# Allegro board AB9.brd (continued)
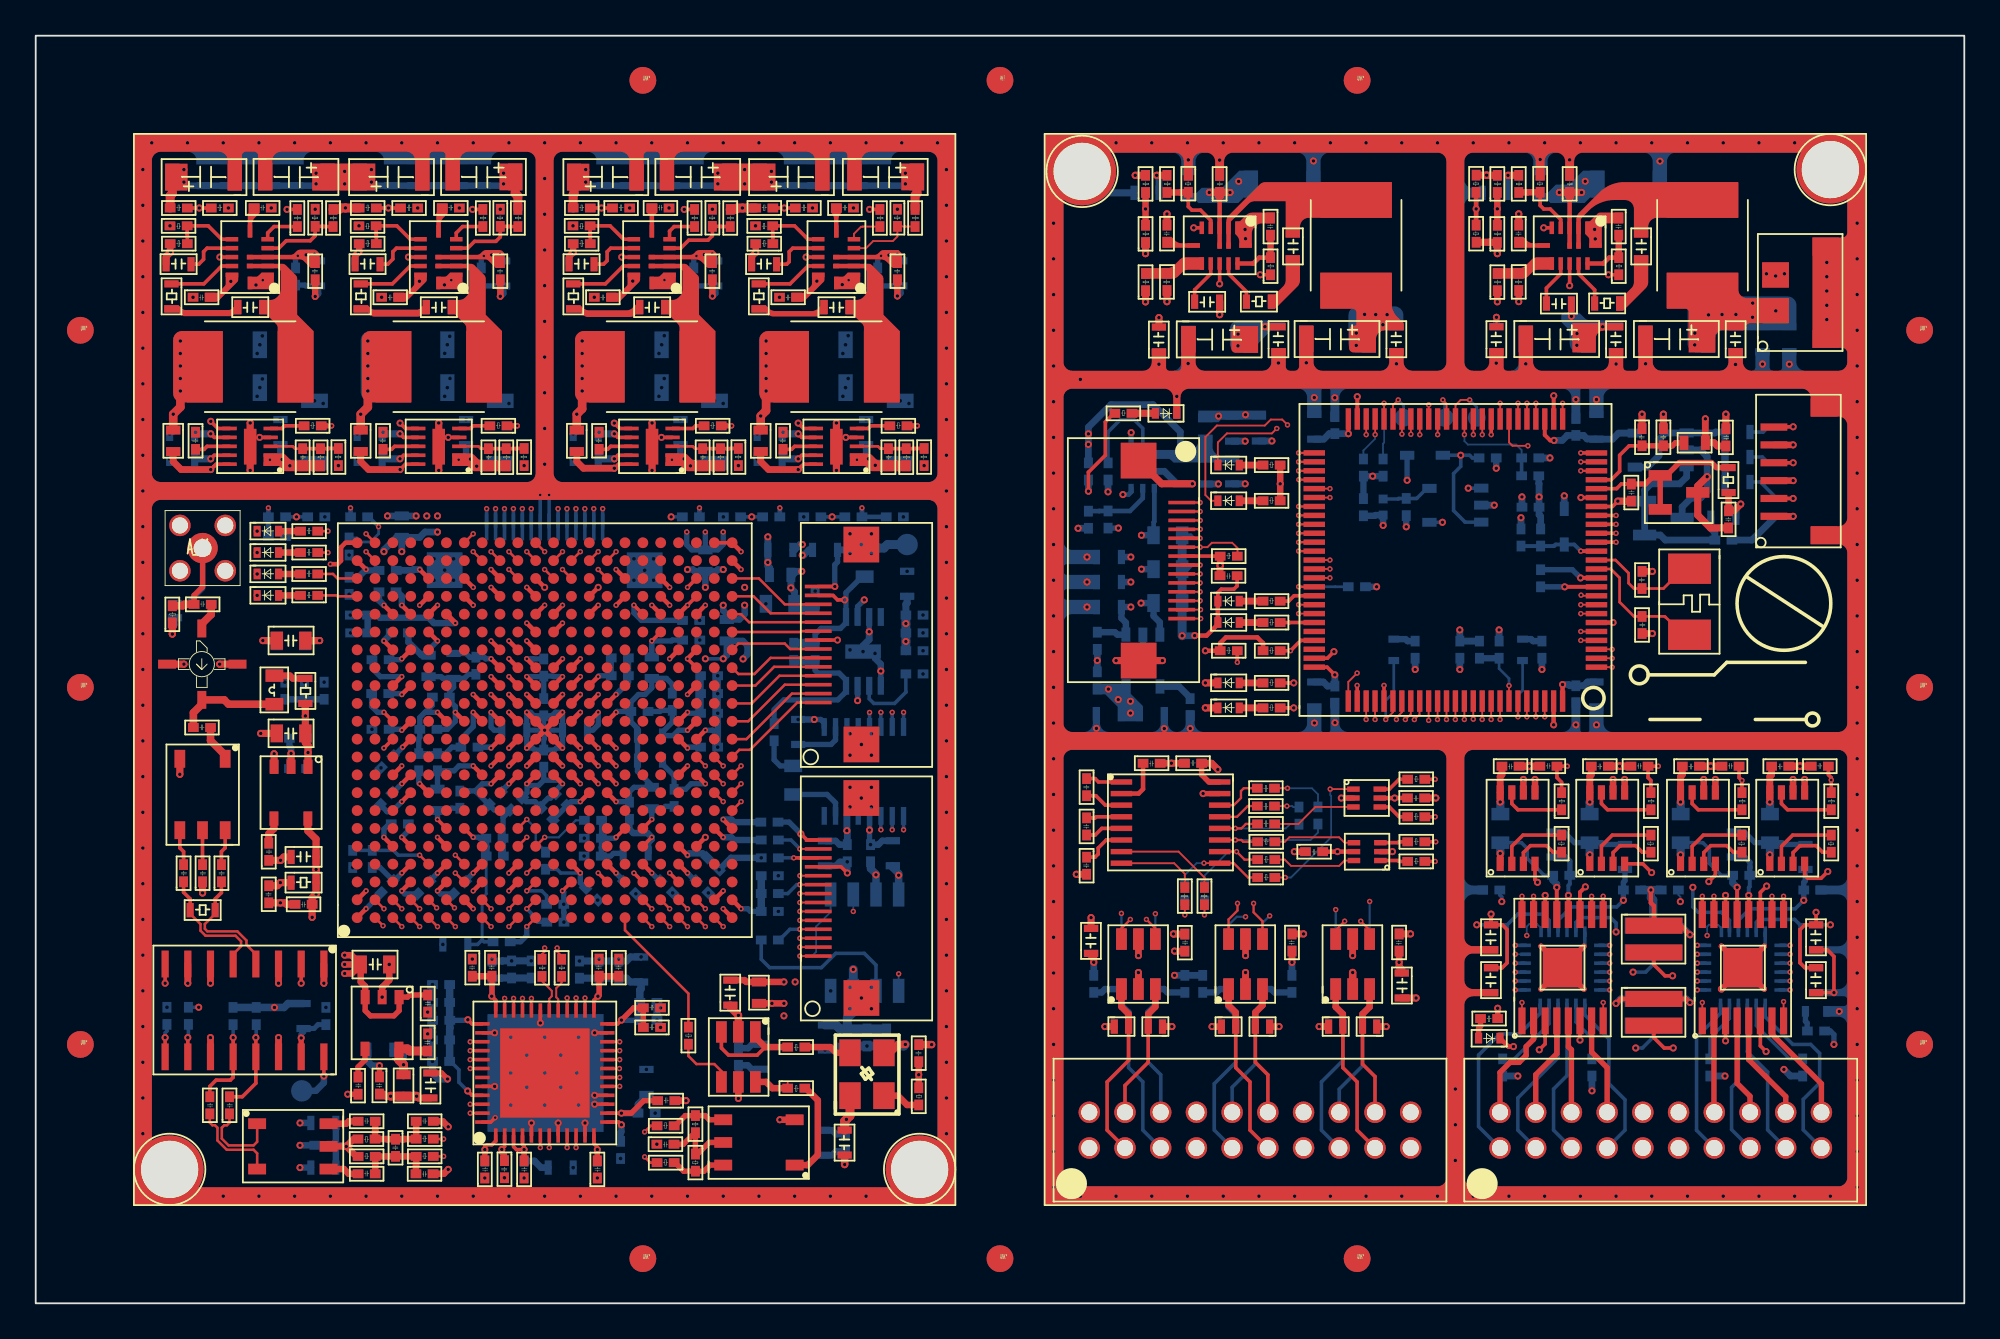
[diagram p0: board, top side]
## Copper pours and planes (outline as drawn; the poured copper is in the pictures)
(no net) on BOTTOM: 25.3,9.6 31.8,9.6 31.8,16.2 25.3,16.2
(no net) on GND-L2, GND-L5, GND-L9: 5.5,65.5 51.5,65.5 51.5,46 40.1,46 40.1,24.3 43.6,24.3 43.6,25.2 40.5,25.2 40.5,45 50.5,45 50.5,6.5 33.8,6.5 33.8,9.7 34.3,10.2 34.3,11.4 33.3,11.4 33.3,6.5 6.5,6.5 6.5,45 11.6,45 11.6,38.5 16.3,38.5 16.3,20.1 17,19.4 21.1,19.4 21.1,13.1 23.4,10.8 23.7,10.8 23.7,13.2 21.9,13.2 21.9,20.4 17.6,20.4 16.9,21.1 16.9,39 12.1,39 12.1,46 5.5,46 ; 1 cut-out
(no net) on GND-L2, GND-L5, GND-L9: 56.55,65.45 102.45,65.45 102.45,5.55 56.55,5.55 ; 13 cut-outs
(no net) on PWR-L6: 33.2,11.2 23.9,11.2 23.5,11.6 23.5,13.8 22.4,14.9 17.5,14.9 16.9,14.3 16.9,12.6 15.9,11.6 15.9,6.8 16.2,6.5 33.3,6.5 33.4,6.6 33.4,11
(no net) on PWR-L6: 42,43.1 42,31.9 43.9,30 43.9,26.8 45.1,25.6 50.5,25.6 50.5,43.6 42.5,43.6
(no net) on PWR-L6: 23,36.4 23,31.1 25.4,28.7 31.5,28.7 32.3,27.9 33.4,27.9 33.95,28.45 33.95,35.25 35.4,36.7 36.5,36.7 37,36.2 37,35.4 37.4,35 40.6,35 40.9,35.3 40.9,37.2 40.1,38 30.6,38 30.1,37.5 24.1,37.5
(no net) on PWR-L6: 45.9,6.5 45.9,10 46.4,10.5 49.9,10.5 50.5,11.1 50.5,16.9 50.3,17.1 38.3,17.1 37.6,16.4 37.6,12.1 36.5,11 36.5,10.5 33.9,10.5 33.9,6.5
(no net) on PWR-L6: 16,13.2 13.6,10.8 13.6,6.8 13.3,6.5 10.6,6.5 10.2,6.9 10.2,8.7 8.4,10.5 6.7,10.5 6.5,10.7 6.5,27.7 6.8,28 15.7,28 16,27.7
(no net) on PWR-L6: 23.3,49.2 23.6,49.5 26.9,49.5 27.6,48.8 27.6,46.1 26.6,45.1 24.2,45.1 22.8,43.7 19.7,43.7 19.2,44.2 19.2,45.1 19.8,45.7 22.7,45.7 23.3,46.3
(no net) on PWR-L6: 30.1,48 31.2,48 31.5,48.3 31.5,49.5 31.7,49.7 33.4,49.7 33.8,49.3 33.8,46.8 33.5,46.5 30.2,46.5 29.9,46.8 29.9,47.8
(no net) on PWR-L6: 40.4,48 41.4,48 41.7,48.3 41.7,49.5 41.9,49.7 43.7,49.7 44.1,49.3 44.1,46.7 43.8,46.4 40.6,46.4 40.2,46.8 40.2,47.8
(no net) on PWR-L6: 18,48 19.1,48 19.4,48.3 19.4,49.3 19.9,49.8 21.4,49.8 21.8,49.4 21.8,46.7 21.5,46.4 18.2,46.4 17.8,46.8 17.8,47.8
(no net) on PWR-L6: 63.2,37.4 63.43,37.63 63.43,46.27 63.2,46.5 58,46.5 57.81,46.5 57.55,46.24 57.55,37.65 57.8,37.4
(no net) on PWR-L6: 65.51,51.7 65.51,49.49 65.66,49.34 68.22,49.34 68.34,49.46 68.34,52.56 68.72,52.94 76.22,52.94 76.8,53.52 76.8,56.59 76.24,57.16 57.55,57.16 57.55,52.59 57.91,52.23 64.98,52.23
(no net) on PWR-L6: 7.5,48 8.5,48 8.8,48.3 8.8,49.5 9.1,49.8 10.9,49.8 11.3,49.4 11.3,46.8 11,46.5 7.7,46.5 7.3,46.9 7.3,47.8
(no net) on PWR-L6: 35.6,49.5 39,49.5 39.6,48.9 39.6,45.1 39.2,44.7 39.2,43.6 38.4,42.8 36.2,42.8 36.1,42.9 36.1,43.4 36.4,43.7 37.2,43.7 37.7,44.2 37.7,45 37,45.7 36.4,45.7 35.2,46.9 35.2,49.1
(no net) on PWR-L6: 80.97,55.39 80.97,53.58 81.26,53.29 101.23,53.29 101.45,53.51 101.45,55.82 100.7,56.57 82.61,56.57 82.39,56.34 82.39,55.71 82.29,55.61 81.19,55.61
(no net) on PWR-L6: 79,32 101.1,32 101.45,32.35 101.45,50.95 101.17,51.23 70.3,51.23 70.3,48.5 69.63,47.83 65.48,47.83 64.62,46.97 64.62,35.91 63.8,35.1 58.6,35.1 58.6,35.1 57.55,35.1 57.55,6.97 57.79,6.74 58.46,6.74 58.65,6.55 79,6.55 ; 1 cut-out
(no net) on PWR-L6: 63.55,63.7 64.34,62.9 66.43,62.9 67.2,63.68 70.64,63.68 71.05,63.27 72.17,63.27 72.59,63.68 83.12,63.68 83.65,63.15 86.06,63.15 86.47,63.57 87.85,63.57 88.15,63.27 88.15,61.76 87.81,61.42 84.08,61.42 83.39,62.11 68.28,62.11 67.58,61.41 64.35,61.41 63.29,62.47 61.72,62.47 61.3,62.89 61.3,63.3 61.69,63.7
(no net) on PWR-L6: 45.5,46.8 45.5,49.3 45.7,49.5 49.3,49.5 50.1,48.7 50.1,46.9 49.6,46.4 45.9,46.4
(no net) on PWR-L6: 13.2,49.6 16.5,49.6 17.2,48.9 17.2,46.6 16.3,45.7 14.1,45.7 13.4,45 12.9,45 12.6,44.7 12.6,44.2 12.8,44 13.2,44 13.8,43.4 15.1,43.4 15.8,42.7 15.8,41.2 16.3,40.7 16.3,31.9 17.8,30.4 17.8,20.5 18.5,19.8 21.4,19.8 22.3,18.9 22.3,16.4 21.9,16 17.1,16 16.6,16.5 16.6,28.6 16.3,28.9 6.9,28.9 6.5,29.3 6.5,44.6 7.9,46 12.3,46 12.7,46.4 12.7,49.1 ; 1 cut-out
(no net) on PWR-L6: 80.7,30.23 80.7,26.51 81.14,26.07 100.81,26.07 101.1,26.36 101.1,30.3 100.7,30.7 81.17,30.7
(no net) on PWR-L6: outline of 92 points within 17,11.5 50.5,45.5 ; 1 cut-out
(no net) on SIGNAL-L8: 12.7,47.4 12.7,46.5 13.5,45.7 17.4,45.7 18.4,44.7 22.9,44.7 25,42.6 32.7,42.6 35.2,45.1 37.7,45.1 38.3,44.5 38.3,43.7 39.9,42.1 39.9,42 40.7,41.2 41.2,41.2 41.5,41.5 41.5,43.6 40.9,44.2 40.9,44.8 39.5,46.2 34.5,46.2 34.2,45.9 19.5,45.9 17.4,48 17.4,49.2 17,49.6 14.9,49.6
(no net) on SIGNAL-L8: 37.9,39.7 37.9,38.4 38.8,37.5 44,37.5 48.9,42.4 48.9,47.6 48.7,47.8 45.4,47.8 45.3,47.7 45.3,43.1 42.7,40.5 38.7,40.5
A_1V2_FPGA on TOP (solid shape): 46.62,47.6 46.73,47.58 46.83,47.51 47.04,47.3 47.14,47.23 47.25,47.21 49,47.21 49,46.61 46.86,46.61 46.75,46.63 46.65,46.7 46.45,46.9 45.59,46.9 45.59,47.6
A_1V2_FPGA on PWR-L6 (solid shape): 50.1,48.7 50.1,46.9 49.6,46.4 45.9,46.4 45.53,46.77 45.52,46.83 45.5,46.89 45.5,47.81 45.54,47.82 45.92,48.07 46.07,48.5 45.92,48.93 45.53,49.18 45.54,49.24 45.54,49.34 45.7,49.5 49.3,49.5
A_1V2_FPGA on SIGNAL-L8 (solid shape): outline of 228 points within 37.9,37.5 48.9,47.8
A_2V0_FPGA on PWR-L6 (solid shape): 44.1,49.3 44.1,46.7 43.8,46.4 40.6,46.4 40.2,46.8 40.2,47.8 40.4,48 41.4,48 41.7,48.3 41.7,49.5 41.9,49.7 43.7,49.7
A_2V5_FPGA on TOP (solid shape): 36.29,47.6 36.41,47.58 36.5,47.51 36.72,47.3 36.82,47.23 36.93,47.21 38.6,47.21 38.6,46.61 36.54,46.61 36.42,46.63 36.33,46.7 36.12,46.9 35.27,46.9 35.27,47.6
A_2V5_FPGA on PWR-L6 (solid shape): 39.6,48.9 39.6,45.1 39.2,44.7 39.2,43.6 38.4,42.8 36.2,42.8 36.1,42.9 36.1,43.4 36.4,43.7 37.2,43.7 37.7,44.2 37.7,45 37,45.7 36.4,45.7 35.2,46.9 35.2,47.82 35.24,47.83 35.6,48.08 35.74,48.5 35.65,48.85 35.39,49.11 35.34,49.18 35.37,49.27 35.6,49.5 39,49.5
A_3V3_BUCK_2V5_IN on PWR-L6 (solid shape): 33.8,49.3 33.8,46.8 33.5,46.5 30.2,46.5 29.9,46.8 29.9,47.8 30.1,48 31.2,48 31.5,48.3 31.5,49.5 31.7,49.7 33.4,49.7
A_3V3_FPGA on TOP (solid shape): 24.35,47.6 24.46,47.58 24.56,47.51 24.77,47.3 24.87,47.23 24.98,47.21 26.6,47.21 26.6,46.61 24.59,46.61 24.48,46.63 24.38,46.7 24.18,46.9 23.32,46.9 23.32,47.6
A_3V3_FPGA on PWR-L6 (solid shape): 27.6,48.8 27.6,46.1 26.6,45.1 24.2,45.1 22.8,43.7 22.49,43.7 19.7,43.7 19.2,44.2 19.2,45.1 19.8,45.7 22.7,45.7 23.3,46.3 23.3,47.83 23.33,47.84 23.67,48.1 23.8,48.5 23.7,48.87 23.41,49.13 23.36,49.2 23.39,49.29 23.6,49.5 26.9,49.5
A_3V3_IF on PWR-L6 (solid shape): outline of 1124 points within 6.5,6.5 16,28
A_4V0_BUCK_3V3 on PWR-L6 (solid shape): 21.8,49.4 21.8,46.7 21.5,46.4 18.2,46.4 17.8,46.8 17.8,47.8 18,48 19.1,48 19.4,48.3 19.4,49.3 19.9,49.8 21.4,49.8
A_5V5_BUCK_5V_IN on PWR-L6 (solid shape): 11.3,49.4 11.3,46.8 11,46.5 7.7,46.5 7.3,46.9 7.3,47.8 7.5,48 8.5,48 8.8,48.3 8.8,49.5 9.1,49.8 10.9,49.8
A_5V_FPGA on TOP (solid shape): 13.78,47.6 13.9,47.58 14,47.51 14.21,47.3 14.31,47.23 14.42,47.21 16.2,47.21 16.2,46.61 14.03,46.61 13.92,46.63 13.82,46.7 13.62,46.9 12.76,46.9 12.76,47.6
A_5V_FPGA on PWR-L6 (solid shape): outline of 856 points within 6.5,16 22.3,49.6
A_5V_FPGA on SIGNAL-L8 (solid shape): outline of 488 points within 12.7,41.2 41.5,49.6
A_ADC_3V3 on PWR-L6 (solid shape): outline of 1075 points within 15.9,6.5 33.4,14.9
A_AUDIO_5V on PWR-L6 (solid shape): outline of 774 points within 42,25.6 50.5,43.6
A_CLK_3V3 on PWR-L6 (solid shape): outline of 522 points within 33.9,6.5 50.5,17.1
A_GND on TOP (solid shape): 13.34,57 13.28,56.86 13.14,56.8 11.88,56.8 11.88,57.5 12.33,57.5 12.41,57.52 12.47,57.56 12.64,57.73 13.34,57.73
A_GND on TOP (solid shape): 23.9,57 23.84,56.86 23.7,56.8 22.43,56.8 22.43,57.5 22.89,57.5 22.97,57.52 23.03,57.56 23.2,57.73 23.9,57.73
A_GND on TOP (solid shape): 35.84,57 35.79,56.86 35.64,56.8 34.38,56.8 34.38,57.5 34.84,57.5 34.91,57.52 34.98,57.56 35.14,57.73 35.84,57.73
A_GND on TOP (solid shape): 46.17,57 46.11,56.86 45.97,56.8 44.7,56.8 44.7,57.5 45.16,57.5 45.24,57.52 45.3,57.56 45.47,57.73 46.17,57.73
A_GND on TOP (solid shape): outline of 388 points within 5.5,5.5 51.5,65.5
A_GND on BOTTOM (solid shape): 31.8,9.6 25.3,9.6 25.3,16.2 31.8,16.2
A_GND on BOTTOM (solid shape): outline of 300 points within 5.5,5.5 51.5,65.5
A_GND on GND-L2 (solid shape): outline of 15346 points within 5.5,6.5 51.5,65.5
A_GND on GND-L5 (solid shape): outline of 15346 points within 5.5,6.5 51.5,65.5
A_GND on GND-L9 (solid shape): outline of 15346 points within 5.5,6.5 51.5,65.5
A_N8196950 on TOP (solid shape): 11.34,57.34 11.32,57.27 11.28,57.2 10.24,56.16 10.17,56.12 10.1,56.1 9.47,56.1 9.47,56.6 10.13,56.6 10.2,56.62 10.27,56.66 10.58,56.97 10.62,57.04 10.64,57.11 10.64,57.73 11.34,57.73
A_N8196998 on TOP (solid shape): 12.53,61.06 12.27,60.81 12.16,60.64 12.12,60.45 12.12,59.7 11.88,59.7 11.88,61.05 11.93,61.1 11.93,61.6 12.53,61.6
A_N8197008 on TOP (solid shape): 13.8,58.23 13.91,58.2 14.01,58.14 14.55,57.6 14.62,57.5 14.64,57.38 14.64,55.37 15.55,54.46 15.55,50.46 13.55,50.46 13.55,54.64 13.53,54.76 13.46,54.85 12.91,55.4 12.52,55.4 12.52,56.2 13.15,56.2 13.34,56.24 13.5,56.35 13.57,56.41 13.68,56.58 13.72,56.77 13.72,57.84 13.58,57.98 11.82,57.98 11.82,58.23
A_N8197018 on TOP (solid shape): 11.52,55.4 11.11,55.4 11.09,55.38 10.99,55.32 10.88,55.29 8.33,55.29 8.22,55.32 8.12,55.38 8,55.5 7.2,55.5 7.2,55.9 8,55.9 8.18,55.72 8.28,55.66 8.39,55.63 10.79,55.63 10.91,55.66 11,55.72 11.12,55.83 11.12,56.2 11.52,56.2
A_N8197078 on TOP (solid shape): 22.07,55.4 21.65,55.4 21.61,55.36 21.51,55.29 21.39,55.27 18.96,55.27 18.84,55.29 18.75,55.36 18.6,55.5 17.8,55.5 17.8,55.9 18.6,55.9 18.76,55.74 18.86,55.67 18.98,55.65 21.33,55.65 21.45,55.67 21.54,55.74 21.68,55.87 21.68,56.2 22.07,56.2
A_N8197098 on TOP (solid shape): 24.36,58.23 24.47,58.2 24.57,58.14 25.11,57.6 25.18,57.5 25.2,57.38 25.2,55.37 26.11,54.46 26.11,50.46 24.11,50.46 24.11,54.64 24.09,54.76 24.02,54.85 23.48,55.4 23.07,55.4 23.07,56.2 23.71,56.2 23.9,56.24 24.06,56.35 24.13,56.41 24.24,56.58 24.28,56.77 24.28,57.84 24.14,57.98 22.39,57.98 22.39,58.23
A_N8197176 on TOP (solid shape): 21.9,57.34 21.88,57.27 21.84,57.2 20.8,56.16 20.73,56.12 20.66,56.1 20.03,56.1 20.03,56.6 20.69,56.6 20.76,56.62 20.83,56.66 21.14,56.97 21.18,57.04 21.2,57.11 21.2,57.73 21.9,57.73
A_N8197182 on TOP (solid shape): 23.07,61.04 22.83,60.81 22.72,60.64 22.68,60.45 22.68,59.7 22.43,59.7 22.43,61.07 22.47,61.1 22.47,61.6 23.07,61.6
A_N8197222 on TOP (solid shape): 34.02,55.4 33.62,55.4 33.61,55.39 33.45,55.28 33.26,55.24 30.96,55.24 30.77,55.28 30.61,55.39 30.5,55.5 29.7,55.5 29.7,55.9 30.5,55.9 30.64,55.76 30.8,55.65 30.99,55.62 33.08,55.62 33.27,55.65 33.43,55.76 33.62,55.95 33.62,56.2 34.02,56.2
A_N8197242 on TOP (solid shape): 36.3,58.23 36.42,58.2 36.52,58.14 37.06,57.6 37.12,57.5 37.14,57.38 37.14,55.37 38.05,54.46 38.05,50.46 36.05,50.46 36.05,54.64 36.03,54.76 35.97,54.85 35.42,55.4 35.02,55.4 35.02,56.2 35.65,56.2 35.85,56.24 36.01,56.35 36.08,56.41 36.18,56.58 36.22,56.77 36.22,57.84 36.09,57.98 34.33,57.98 34.33,58.23
A_N8197320 on TOP (solid shape): 33.84,57.34 33.83,57.27 33.79,57.2 32.74,56.16 32.68,56.12 32.6,56.1 31.98,56.1 31.98,56.6 32.63,56.6 32.71,56.62 32.77,56.66 33.09,56.97 33.13,57.04 33.14,57.11 33.14,57.73 33.84,57.73
A_N8197326 on TOP (solid shape): 34.81,61.1 34.63,60.92 34.63,59.7 34.38,59.7 34.38,60.93 34.21,61.1 34.21,61.6 34.81,61.6
A_N8197366 on TOP (solid shape): 44.34,55.4 43.95,55.4 43.91,55.36 43.81,55.3 43.69,55.27 41.32,55.27 41.13,55.31 40.97,55.42 40.89,55.5 40.09,55.5 40.09,55.9 40.89,55.9 41.07,55.72 41.23,55.61 41.42,55.58 43.46,55.58 43.65,55.61 43.81,55.72 43.95,55.86 43.95,56.2 44.34,56.2
A_N8197386 on TOP (solid shape): 46.63,58.23 46.74,58.2 46.84,58.14 47.38,57.6 47.45,57.5 47.47,57.38 47.47,55.37 48.38,54.46 48.38,50.46 46.38,50.46 46.38,54.64 46.36,54.76 46.29,54.85 45.74,55.4 45.34,55.4 45.34,56.2 45.98,56.2 46.17,56.24 46.33,56.35 46.4,56.41 46.51,56.58 46.55,56.77 46.55,57.84 46.41,57.98 44.66,57.98 44.66,58.23
A_N8197464 on TOP (solid shape): 44.17,57.34 44.15,57.27 44.11,57.2 43.07,56.16 43,56.12 42.93,56.1 42.31,56.1 42.31,56.6 42.96,56.6 43.03,56.62 43.1,56.66 43.41,56.97 43.45,57.04 43.47,57.11 43.47,57.73 44.17,57.73
A_N8197470 on TOP (solid shape): 45.13,61.1 45.1,61.07 44.99,60.91 44.95,60.71 44.95,59.7 44.7,59.7 44.7,60.72 44.67,60.91 44.56,61.08 44.53,61.1 44.53,61.6 45.13,61.6
A_VBAT_IN on TOP (solid shape): 8.5,62.33 7.25,62.33 7.25,63.83 8.5,63.83
A_VBAT_IN on TOP (solid shape): 27.25,62.34 25.97,62.34 25.97,63.84 27.25,63.84
A_VBAT_IN on TOP (solid shape): 31,62.33 29.75,62.33 29.75,63.83 31,63.83
A_VBAT_IN on TOP (solid shape): 49.75,62.34 48.47,62.34 48.47,63.84 49.75,63.84
A_VBAT_IN on TOP (solid shape): 41.43,62.33 37.98,62.33 37.98,63.84 41.43,63.84
A_VBAT_IN on TOP (solid shape): 19.01,62.33 18.55,62.33 18.55,62.33 15.48,62.33 15.48,63.84 19.01,63.84
A_VBAT_IN on TOP (solid shape): 38.14,58.8 38.14,57.99 37.64,57.99 37.3,58.33 37.14,58.44 36.95,58.48 34.33,58.48 34.33,58.73 36.65,58.73 36.77,58.75 36.86,58.81 36.96,58.91 37.06,58.97 37.17,58.99 37.95,58.99
A_VBAT_IN on TOP (solid shape): 48.51,58.8 48.51,57.99 48.01,57.99 47.67,58.33 47.5,58.44 47.31,58.48 44.66,58.48 44.66,58.73 46.98,58.73 47.09,58.75 47.19,58.81 47.28,58.91 47.38,58.97 47.5,58.99 48.31,58.99
A_VBAT_IN on TOP (solid shape): 15.56,59.02 15.67,58.99 15.77,58.93 15.81,58.89 15.88,58.79 15.9,58.68 15.9,57.99 15.4,57.99 15,58.39 14.91,58.45 14.79,58.48 11.82,58.48 11.82,58.73 14.28,58.73 14.39,58.75 14.49,58.81 14.6,58.93 14.7,58.99 14.82,59.02
A_VBAT_IN on TOP (solid shape): 25.95,58.99 26.06,58.97 26.16,58.91 26.18,58.89 26.24,58.79 26.27,58.68 26.27,57.99 25.77,57.99 25.37,58.39 25.27,58.45 25.16,58.48 22.39,58.48 22.39,58.73 24.71,58.73 24.82,58.75 24.92,58.81 25.01,58.91 25.11,58.97 25.23,58.99
A_VCCINT_1V2 on PWR-L6 (solid shape): outline of 1288 points within 23,27.9 40.9,38
A_VCCIO_3V3 on PWR-L6 (solid shape): outline of 4941 points within 17,11.7 50.5,45.5
B_3V3_MCU on BOTTOM (solid shape): 61.31,34.15 62,33.46 62,32.6 60.6,32.6 60.6,33.4 59.89,34.11 59.2,34.11 59.2,34.71 60.81,34.71 60.81,34.95 61.31,34.95
B_3V3_MCU on PWR-L6 (solid shape): outline of 8068 points within 57.55,6.55 101.45,51.23
B_5V5_MCU_IN on BOTTOM (solid shape): 65.9,47.99 66.05,47.64 66.4,47.49 67.4,47.49 67.4,47.1 63.78,47.1 63.71,47.12 63.64,47.16 63.56,47.24 63.5,47.28 63.42,47.3 62.49,47.3 62.49,47.8 64.6,47.8 64.95,47.94 65.1,48.3 65.1,48.65 65.9,48.65
B_5V5_MCU_PWR on TOP (solid shape): 75.94,55.97 76.02,55.59 76.23,55.27 76.6,54.9 76.6,54.5 75.55,54.5 75.2,54.35 75.05,54 75.05,53.26 73.8,53.26 73.62,53.33 73.55,53.51 73.55,54.51 73.62,54.69 73.8,54.76 73.86,54.76 73.93,54.79 73.96,54.86 73.96,55.47 73.89,55.65 73.71,55.72 72.41,55.72 71.94,55.72 71.94,57.72 75.94,57.72
B_5V5_MCU_PWR on BOTTOM (solid shape): 68.9,49.5 67.61,49.5 67.6,49.49 66.37,49.49 66.23,49.35 65.1,49.35 65.1,50 68.9,50
B_5V5_MCU_PWR on BOTTOM (solid shape): 69.79,55.06 69.93,55 69.99,54.86 69.99,54.5 69.27,54.5 69.2,54.49 69.13,54.44 68.51,53.82 68.47,53.76 68.45,53.68 68.45,53.25 67.38,53.25 67.02,53.4 66.88,53.75 66.88,54.56 67.02,54.91 67.38,55.06
B_5V5_MCU_PWR on BOTTOM (solid shape): 76.09,55.84 76.44,55.69 76.59,55.34 76.59,54.5 75.55,54.5 75.2,54.35 75.05,54 75.05,53.25 74.01,53.25 73.66,53.4 73.51,53.75 73.51,55.34 73.66,55.69 74.01,55.84
B_5V5_MCU_PWR on PWR-L6 (solid shape): outline of 316 points within 57.55,49.34 76.8,57.16
B_5V_MCU on PWR-L6 (solid shape): outline of 360 points within 57.55,37.4 63.43,46.5
B_5V_MCU on PWR-L6 (solid shape): outline of 605 points within 80.7,26.07 101.1,30.7
B_12V_MTR on TOP (solid shape): 88.9,54.5 87.85,54.5 87.5,54.35 87.35,54 87.35,53.26 86.06,53.26 86.06,54.9 88.9,54.9
B_12V_MTR on TOP (solid shape): 95.34,56.8 95.49,56.45 95.84,56.3 98.18,56.3 98.18,54.9 96,54.9 95.86,54.84 95.74,54.56 95.6,54.5 94.3,54.5 94.05,54.25 94.05,53.26 92.57,53.26 92.57,55.52 92.51,55.66 92.37,55.72 91.34,55.72 91.34,57.72 95.34,57.72
B_12V_MTR on BOTTOM (solid shape): 98.1,56.39 98.45,56.25 98.6,55.89 98.6,54.5 94.55,54.5 94.2,54.36 94.05,54 94.05,53.25 93,53.25 92.65,53.4 92.5,53.75 92.5,55.89 92.65,56.25 93,56.39
B_12V_MTR on BOTTOM (solid shape): 86.35,55.49 86.42,55.47 86.49,55.43 86.71,55.21 86.87,55.1 87.06,55.06 88.75,55.06 88.85,55.02 88.9,54.91 88.9,54.5 87.55,54.5 87.41,54.44 87.35,54.3 87.35,53.25 86.41,53.25 86.05,53.4 85.91,53.75 85.91,54.28 85.87,54.47 85.76,54.63 85.49,54.9 85.44,54.97 85.43,55.04 85.43,55.29 85.49,55.43 85.63,55.49
B_12V_MTR on PWR-L6 (solid shape): 85.65,56.57 85.77,56.52 85.9,56.5 86.03,56.52 86.15,56.57 99.61,56.57 99.62,56.53 99.66,56.41 99.73,56.3 99.6,55.9 99.73,55.5 99.63,55.31 99.6,55.1 100.3,54.4 101,55.1 100.97,55.31 100.87,55.5 100.97,55.69 101,55.9 101,55.96 100.99,56.02 101.04,56.13 101.16,56.11 101.45,55.82 101.45,54.93 101.3,54.5 101.45,54.07 101.45,53.51 101.23,53.29 98.32,53.29 98.26,53.3 98.2,53.3 98.14,53.3 98.08,53.29 96.85,53.29 96.77,53.3 96.7,53.31 96.63,53.3 96.55,53.29 90.37,53.29 90.26,53.32 90.15,53.32 90.04,53.32 89.93,53.29 88.68,53.29 88.67,53.29 88.5,53.31 88.33,53.29 88.33,53.29 83.65,53.29 83.54,53.31 83.44,53.32 83.34,53.31 83.24,53.29 82.1,53.29 81.95,53.34 81.79,53.36 81.64,53.34 81.49,53.29 81.48,53.29 81.26,53.29 80.97,53.58 80.97,55.39 81.19,55.61 81.34,55.61 81.35,55.6 81.58,55.45 81.85,55.39 82.35,55.6 82.55,56.09 82.53,56.25 82.48,56.39 82.47,56.43 82.61,56.57
B_GND on TOP (solid shape): 98.18,56.9 96.68,56.9 96.68,58.3 98.18,58.3
B_GND on TOP (solid shape): 88.9,60.49 88,60.49 87.92,60.47 87.86,60.43 87.76,60.33 87.72,60.27 87.7,60.19 87.7,59.12 87,59.12 87,59.58 86.98,59.66 86.94,59.72 86.78,59.89 86.78,60.59 86.94,60.59 87.02,60.61 87.08,60.65 87.47,61.03 87.53,61.07 87.61,61.09 88.9,61.09
B_GND on TOP (solid shape): 69.4,60.49 68.67,60.49 68.48,60.45 68.32,60.34 68.25,60.27 68.14,60.11 68.1,59.92 68.1,59.12 67.4,59.12 67.4,59.46 67.36,59.65 67.25,59.81 67.17,59.89 67.17,60.59 67.34,60.59 67.42,60.61 67.48,60.65 67.78,60.94 67.94,61.05 68.13,61.09 69.4,61.09
B_GND on TOP (solid shape): outline of 822 points within 56.55,5.55 102.45,65.45
B_GND on BOTTOM (solid shape): outline of 1241 points within 56.55,5.55 102.45,65.45
B_GND on GND-L2 (solid shape): outline of 13083 points within 56.55,5.55 102.45,65.45
B_GND on GND-L5 (solid shape): outline of 13083 points within 56.55,5.55 102.45,65.45
B_GND on GND-L9 (solid shape): outline of 13083 points within 56.55,5.55 102.45,65.45
B_N8196998 on TOP (solid shape): 63.81,59.52 63.97,59.41 64.16,59.38 65.2,59.38 65.2,59.12 63.1,59.12 63.1,59.73 63.6,59.73
B_N8197008 on TOP (solid shape): 75.94,60.8 71.3,60.8 70.95,60.65 70.8,60.3 70.8,59.7 70,59.7 70,61.73 68.27,61.73 68.08,61.69 67.92,61.58 66.93,60.6 66.92,60.58 66.92,59.08 66.67,59.08 66.67,60.59 66.71,60.78 66.82,60.94 68.53,62.65 68.69,62.76 68.89,62.8 75.94,62.8
B_N8197018 on TOP (solid shape): 70.8,57.31 70.76,57.12 70.65,56.95 69.4,55.7 69,55.7 69,56.5 69.4,56.5 69.85,56.95 69.96,57.12 70,57.31 70,58.7 70.8,58.7
B_N8197032 on TOP (solid shape): 65.42,57.89 64.55,57.89 64.36,57.85 64.19,57.74 63.99,57.54 63.82,57.43 63.63,57.39 61.9,57.39 61.9,57.98 63.39,57.98 63.58,58.02 63.74,58.13 64.05,58.44 64.22,58.55 64.41,58.59 65.42,58.59
B_N8197078 on TOP (solid shape): 90.3,57.21 90.26,57.02 90.15,56.85 88.9,55.6 88.5,55.6 88.5,56.4 88.9,56.4 89.35,56.85 89.46,57.02 89.5,57.21 89.5,58.7 90.3,58.7
B_N8197098 on TOP (solid shape): 95.34,60.8 90.8,60.8 90.45,60.65 90.3,60.3 90.3,59.7 89.5,59.7 89.5,61.3 89.35,61.65 89,61.8 88.4,61.8 87.63,61.64 86.98,61.21 86.6,60.83 86.54,60.75 86.53,60.65 86.53,59.08 86.28,59.08 86.28,60.72 86.31,60.91 86.42,61.08 87.56,62.21 88.21,62.65 88.97,62.8 95.34,62.8
B_N8197166 on TOP (solid shape): 85.03,57.89 84.15,57.89 83.96,57.85 83.79,57.74 83.59,57.54 83.42,57.43 83.23,57.39 81.6,57.39 81.6,57.98 83.08,57.98 83.27,58.02 83.44,58.13 83.75,58.44 83.92,58.55 84.11,58.59 85.03,58.59
B_N8197182 on TOP (solid shape): 83.51,59.52 83.67,59.41 83.86,59.38 84.8,59.38 84.8,59.12 82.8,59.12 82.8,59.73 83.3,59.73
B_VBAT_IN on TOP (solid shape): 66.55,61.92 66.42,61.8 66.42,59.08 66.17,59.08 66.17,61.79 66.05,61.92 66.05,62.52 66.55,62.52
B_VBAT_IN on TOP (solid shape): 86.15,61.92 86.08,61.85 86.04,61.79 86.03,61.71 86.03,59.08 85.78,59.08 85.78,61.71 85.76,61.79 85.72,61.85 85.65,61.92 85.65,62.52 86.15,62.52
B_VBAT_IN on BOTTOM (solid shape): 68.45,61.94 67.65,61.94 67.34,61.63 65.11,61.63 64.95,61.79 64.15,61.79 64.15,62.19 65.01,62.19 65.3,62.48 66.44,62.48 67.4,63.44 68.45,63.44
B_VBAT_IN on BOTTOM (solid shape): 87.85,61.94 87.05,61.94 86.74,61.63 84.82,61.63 84.66,61.79 83.86,61.79 83.86,62.19 84.66,62.19 85.14,62.66 85.87,62.66 86.65,63.44 87.85,63.44
B_VBAT_IN on PWR-L6 (solid shape): 64.34,62.9 66.43,62.9 67.2,63.68 70.64,63.68 71.05,63.27 72.17,63.27 72.59,63.68 83.12,63.68 83.65,63.15 86.06,63.15 86.47,63.57 87.85,63.57 88.15,63.27 88.15,61.76 87.81,61.42 84.08,61.42 83.39,62.11 68.28,62.11 67.58,61.41 64.35,61.41 63.29,62.47 61.72,62.47 61.3,62.89 61.3,63.3 61.69,63.7 63.55,63.7
A_2V0_FPGA_PWR on TOP (solid shape): 43.3,50.46 41.03,50.46 40.68,50.61 40.53,50.96 40.53,53.96 40.68,54.31 41.03,54.46 43.3,54.46
A_2V0_FPGA_PWR on BOTTOM (solid shape): 42.25,50.54 41,50.54 40.65,50.69 40.5,51.04 40.5,53.94 40.65,54.29 41,54.44 42.25,54.44
A_3V3_BUCK_2V5 on TOP (solid shape): 32.98,50.46 30.7,50.46 30.35,50.61 30.2,50.96 30.2,53.96 30.35,54.31 30.7,54.46 32.98,54.46
A_3V3_BUCK_2V5 on BOTTOM (solid shape): 31.95,50.54 30.7,50.54 30.35,50.69 30.2,51.04 30.2,53.94 30.35,54.29 30.7,54.44 31.95,54.44
A_4V0_BUCK_3V3_PWR on TOP (solid shape): 21.03,50.46 18.76,50.46 18.41,50.61 18.26,50.96 18.26,53.96 18.41,54.31 18.76,54.46 21.03,54.46
A_4V0_BUCK_3V3_PWR on BOTTOM (solid shape): 19.95,50.54 18.7,50.54 18.35,50.69 18.2,51.04 18.2,53.94 18.35,54.29 18.7,54.44 19.95,54.44
A_5V5_BUCK_5V_PWR on TOP (solid shape): 10.47,50.46 8.2,50.46 7.85,50.61 7.7,50.96 7.7,53.96 7.85,54.31 8.2,54.46 10.47,54.46
A_5V5_BUCK_5V_PWR on BOTTOM (solid shape): 9.45,50.54 8.2,50.54 7.85,50.69 7.7,51.04 7.7,53.94 7.85,54.29 8.2,54.44 9.45,54.44
B_5V5_MCU_IN on PWR-L6 (solid shape): 61.94,49.32 62.09,49.26 62.14,49.12 62.14,47.5 62.09,47.36 61.94,47.3 58.55,47.3 58.41,47.36 58.35,47.5 58.35,49.12 58.41,49.26 58.55,49.32
B_5V5_MCU_PWR on TOP (solid shape): 68.45,53.24 67.2,53.24 67.02,53.31 66.95,53.49 66.95,54.49 67.02,54.67 67.2,54.74 68.45,54.74

## Text on the board
User.Comments: V-CUTx4 FOR BREAK
XSECTION_CHART: ___________________________ | *  SURFACE | L1 TOP CONDUCTOR | *  DIELECTRIC | L2 GND-L2 CONDUCTOR | L3 SIGNAL-L3 CONDUCTOR | L4 SIGNAL-L4 CONDUCTOR | L5 GND-L5 CONDUCTOR | L6 PWR-L6 CONDUCTOR | L7 SIGNAL-L7 CONDUCTOR | L8 SIGNAL-L8 CONDUCTOR | L9 GND-L9 CONDUCTOR | L10 BOTTOM CONDUCTOR | DESIGN CROSS SECTION CHART | TOTAL THICKNESS 1.565 MM | 1-10 | 1-2 | 9-10 | FIGURE | FINISHED_SIZE | 0.15 | 0.2 | 0.9 | 1.0 | 3.2 | DRILL CHART: TOP to BOTTOM | ALL UNITS ARE IN MILLIMETERS | PLATED | NON-PLATED | QTY | 463 | 725 | 44 | 1 | 4
DIMENSION: ALL-IN-ONE | FIGURE | FINISHED_SIZE | 0.2 | DRILL CHART: TOP to GND-L2 | ALL UNITS ARE IN MILLIMETERS | PLATED | QTY | 85 | IN GOD WE TRUST, NO BUGS INDEFINITELY. | ALL QUESTIONS PLEASE CALL +8613522296239(YANTAI ELECTRICIAN) | LDVMTRA121DEC15=LDV+MOTOR+A1(REVISION)+21(YEAR)+DEC(DECEMBER)+15(DAY) | LDVFMA121DEC15=LDV+FM DEMODULATION+A1(REVISION)+21(YEAR)+DEC(DECEMBER)+15(DAY) | SMT MARKERx12 LOCATED ON FOUR EDGES OF PCB | DRILL LEGEND TABLES | TELECTRICIAN | Y
DISPLAY_TOP: FIGURE | FINISHED_SIZE | 0.15 | 0.2 | DRILL CHART: GND-L9 to BOTTOM | ALL UNITS ARE IN MILLIMETERS | PLATED | QTY | 1 | 132
